# Altium PCB BE200.PcbDoc (part 5 of 6)
Units mm, origin at the board's own origin, x right, y up, seen from the top; angles counter-clockwise.
Board outline 91.25 x 134.75 mm, 4 copper layers (Top Layer, Mid-Top Layer, Mid-Bottom Layer, Bottom Layer); 574 components, 120 nets, 2403 pads, 3712 vias.
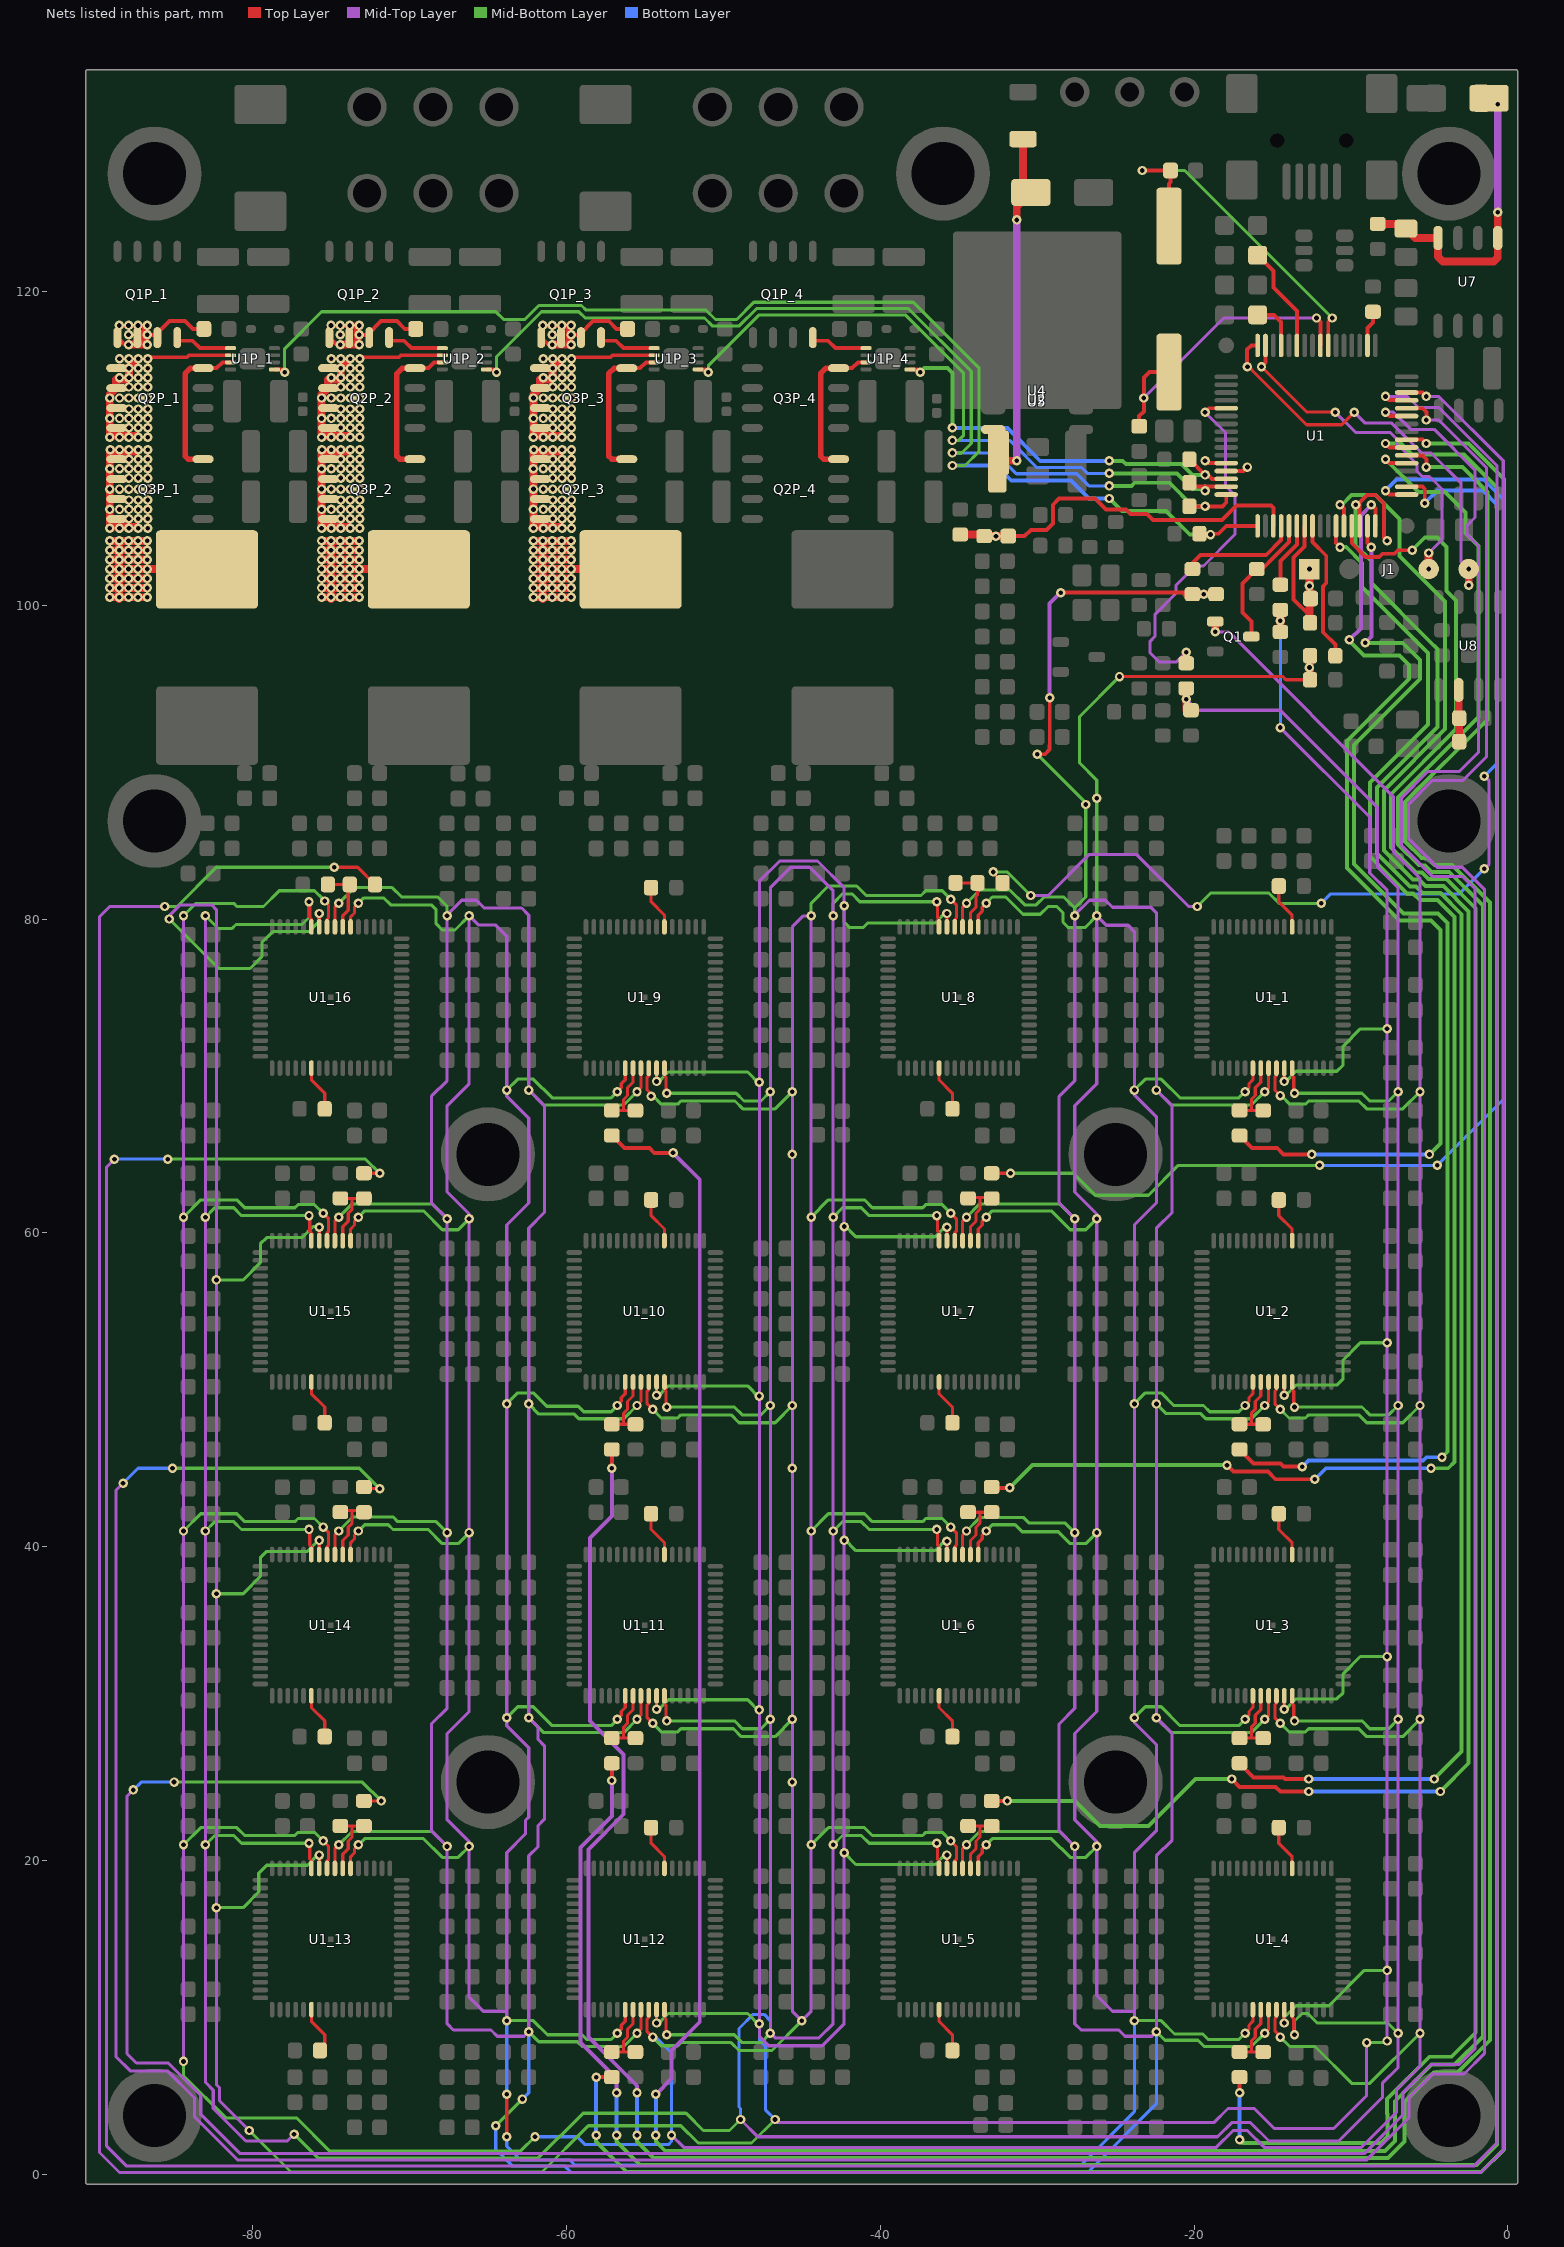
[diagram p7: the nets of this part, all layers, seen from the top]

## Via types
v1: diameter 0.6, hole 0.3, Top Layer to Bottom Layer, tented both sides, 3679 vias
v2: diameter 0.6/0.6/0.6/0.6 (per signal layer), hole 0.3, Top Layer to Bottom Layer, 33 vias

## Nets (pads, with @x,y where several pads share a name; then routed paths per layer and width w, separated by ;. In a path a pad name is that pad's centre, name@x,y a point inside that pad or via, vN(x,y) a via of type N, cw(c..) or ccw(c..) an arc to the next point about the centre after c; other vN are vias at no path point) (continued)
HARD_ZERO: R65.1 R66.2 U1_1.43 U1_2.43 U1_3.43 U1_4.43 U1_5.43 U1_6.43 U1_7.43 U1_8.43 U1_9.43 U1_10.43 U1_11.43 U1_12.43 U1_13.43 U1_14.43 U1_15.43 U1_16.43 | length 562.9
  Top Layer w0.2: v1(-76.4,21.1) -76.35,21.05 -76.35,20.1 -76.25,20 U1_13.43@-76.25,19.5 ; v1(-76.4,41.1) -76.35,41.05 -76.35,40.1 -76.25,40 U1_14.43@-76.25,39.5 ; v1(-76.4,61.1) -76.35,61.05 -76.35,60.101 -76.25,60.001 U1_15.43@-76.25,59.5 ; v1(-76.4,81.1) -76.35,81.05 -76.35,80.1 -76.25,80 U1_16.43@-76.25,79.5 ; U1_12.43@-53.75,10.5 -53.75,10 -53.65,9.9 -53.65,8.95 v1(-53.6,8.9) ; U1_11.43@-53.75,30.5 -53.75,30.014 -53.65,29.914 -53.65,28.95 v1(-53.6,28.9) ; U1_10.43@-53.75,50.5 -53.7,50.45 -53.7,49.964 -53.65,49.914 -53.65,48.95 v1(-53.6,48.9) ; U1_9.43@-53.75,70.5 -53.75,70.014 -53.65,69.914 -53.65,68.95 v1(-53.6,68.9) ; v1(-36.4,21.1) -36.35,21.05 -36.35,20.086 -36.25,19.986 U1_5.43@-36.25,19.5 ; v1(-36.4,41.1) -36.35,41.05 -36.35,40.086 -36.25,39.986 U1_6.43@-36.25,39.5 ; v1(-36.4,61.1) -36.35,61.05 -36.35,60.086 -36.25,59.986 U1_7.43@-36.25,59.5 ; v1(-36.4,81.1) -36.35,81.05 -36.35,80.086 -36.3,80.036 -36.3,79.55 U1_8.43@-36.25,79.5 ; U1_4.43@-13.75,10.5 -13.75,10.014 -13.65,9.914 -13.65,8.95 v1(-13.6,8.9) ; U1_3.43@-13.75,30.5 -13.75,30 -13.65,29.9 -13.65,28.95 v1(-13.6,28.9) ; U1_2.43@-13.75,50.5 -13.75,50.014 -13.65,49.914 -13.65,48.95 v1(-13.6,48.9) ; U1_1.43@-13.75,70.5 -13.75,70.014 -13.65,69.914 -13.65,68.95 v1(-13.6,68.9)
  Top Layer w0.5: R66.2@-20.5,93.3 R65.1@-20.5,94.7
  Mid-Top Layer w0.2: v1(-83,80.2) v1(-83,61) v1(-83,41) v1(-83,21) -83,5.864 -82.5,5.364 -82.5,4.2 -80.425,2.125 -77.775,2.125 v1(-77.35,2.55) ; v1(-48.9,3.5) -47.8,2.4 -18.503,2.4 -17.603,3.3 -16.4,3.3 -15.225,2.125 -10.775,2.125 -8,4.9 -8,5.8 -7,6.8 v1(-7,9) v1(-7,29) v1(-7,49) v1(-7,69) -7,82 -8.3,83.3 -8.3,87.1 -14.5,93.3 -19.8,93.3 v1(-20.5,94) ; v1(-47,9) v1(-47,29) v1(-47,49) v1(-47,69) -47,82 -45.7,83.3 -44.5,83.3 -43,81.8 v1(-43,80.2) v1(-43,61) v1(-43,41) v1(-43,21) -43,9.6 -43.9,8.7 -46.7,8.7 v1(-47,9)
  Mid-Bottom Layer w0.2: v1(-83,21) -82.4,21.6 -81.2,21.6 -80.7,21.1 v1(-76.4,21.1) ; v1(-83,41) -82.4,41.6 -81.2,41.6 -80.7,41.1 v1(-76.4,41.1) ; v1(-83,61) -82.4,61.6 -81.2,61.6 -80.7,61.1 v1(-76.4,61.1) ; v1(-83,80.2) -82.2,79.4 -81.3,79.4 -81.05,79.65 -76.85,79.65 -76.4,80.1 v1(-76.4,81.1) ; v1(-77.35,2.55) -75.85,1.05 -61.781,1.05 -58.931,3.9 -52.369,3.9 -51.269,2.8 -49.6,2.8 v1(-48.9,3.5) ; v1(-53.6,8.9) -49.3,8.9 -48.8,8.4 -47.6,8.4 v1(-47,9) ; v1(-53.6,28.9) -49.284,28.9 -48.784,28.4 -47.6,28.4 v1(-47,29) ; v1(-53.6,48.9) -49.3,48.9 -48.8,48.4 -47.6,48.4 v1(-47,49) ; v1(-53.6,68.9) -49.184,68.9 -48.684,68.4 -47.6,68.4 v1(-47,69) ; v1(-43,21) -42.4,21.6 -41.2,21.6 -40.7,21.1 v1(-36.4,21.1) ; v1(-43,41) -42.4,41.6 -41.2,41.6 -40.7,41.1 v1(-36.4,41.1) ; v1(-43,61) -42.4,61.6 -41.2,61.6 -40.7,61.1 v1(-36.4,61.1) ; v1(-43,80.2) -43,81 -42.4,81.6 -41.8,81.6 -41.3,81.1 v1(-36.4,81.1) ; v1(-13.6,8.9) -13.6,9.775 -13.125,10.25 -12.75,10.25 -12.15,9.65 -7.65,9.65 v1(-7,9) ; v1(-13.6,28.9) -9.3,28.9 -8.8,28.4 -7.6,28.4 v1(-7,29) ; v1(-13.6,48.9) -9.3,48.9 -8.8,48.4 -7.6,48.4 v1(-7,49) ; v1(-13.6,68.9) -9.3,68.9 -8.8,68.4 -7.6,68.4 v1(-7,69)
  Bottom Layer w0.2: v1@-48.9,3.6 -48.9,4.2 -49,4.3 -49,9.3 -48.1,10.2 -47.4,10.2 -47,9.8 v1(-47,9)
HARD_ZERO_MCU: R65.2 U1.53 | length 23.3
  Top Layer w0.25: -19.05,112.55 U1.53@-17.95,112.55
  Top Layer w0.5: R65.2@-20.5,96.3 v1(-20.5,97)
  Mid-Top Layer w0.2: v1(-20.5,97) -21.125,96.375 -22.225,96.375 -22.8,96.95 -22.8,97.7 -22.5,98 -22.5,99.4 -21.15,100.75 -21.15,101.28 -19.93,102.5 -19.4,102.5 -17.4,104.5 -17.4,107 -18,107.6 -18,111 v1(-19.3,112.3)
HO1: Q1P_1.4 U1P_1.1 | length 3.7
  Top Layer w0.25: Q1P_1.4@-84.795,117.05 -84.595,116.85 -83.834,116.85 -83.359,116.375 U1P_1.1@-81.4,116.375
HO2: Q1P_2.4 U1P_2.1 | length 3.7
  Top Layer w0.25: Q1P_2.4@-71.295,117.05 -71.095,116.85 -70.334,116.85 -69.859,116.375 U1P_2.1@-67.9,116.375
HO3: Q1P_3.4 U1P_3.1 | length 3.7
  Top Layer w0.25: Q1P_3.4@-57.795,117.05 -57.595,116.85 -56.834,116.85 -56.359,116.375 U1P_3.1@-54.4,116.375
HO4: Q1P_4.4 U1P_4.1 | length 3.7
  Top Layer w0.25: Q1P_4.4@-44.295,117.05 -44.095,116.85 -43.334,116.85 -42.859,116.375 U1P_4.1@-40.9,116.375
LDO5.0V: C15.1 D7.2 D8.1 R25.1 R26.2 U7.5 U7.8 | length 20.4
  Top Layer w0.5: R25.1@-8.3,124.3 -6.8,124.3 C15.1@-6.5,124 -5.9,123.4 U7.8@-4.455,123.4 -4.455,122.209 -4.146,121.9 ; -3.45,121.9 -4.146,121.9 ; R26.2@-1.7,132.3 D7.2@-1.2,132.3 ; v1(-0.645,125.03) U7.5@-0.645,123.4 -0.645,122.155 -0.9,121.9 -4.146,121.9
  Mid-Top Layer w0.5: v1(-0.645,125.03) v1(-0.645,131.93)
LM12V: D9.1 R28.1 U2.8 U4.1 U5.1 | length 22.3
  Top Layer w0.5: U4.1@-32.54,109.15 -32.49,109.2 v1(-31.3,109.2) ; v1(-31.3,124.55) -31.3,125.4 D9.1@-30.4,126.3 -30.9,126.8 R28.1@-30.9,129.7
  Mid-Top Layer w0.5: v1(-31.3,109.2) v1(-31.3,124.55)
LO1: Q2P_1.4 Q3P_1.4 U1P_1.3 | length 9.7
  Top Layer w0.25: Q2P_1.4@-83.15,115.105 -82.295,115.105 -81.925,115.475 U1P_1.3@-81.4,115.475
  Top Layer w0.35: Q3P_1.4@-83.15,109.305 -84.105,109.305 -84.3,109.5 -84.3,114.75 -83.945,115.105 Q2P_1.4@-83.15,115.105
LO2: Q2P_2.4 Q3P_2.4 U1P_2.3 | length 9.7
  Top Layer w0.25: Q2P_2.4@-69.65,115.105 -68.795,115.105 -68.425,115.475 U1P_2.3@-67.9,115.475
  Top Layer w0.35: Q3P_2.4@-69.65,109.305 -70.605,109.305 -70.8,109.5 -70.8,114.75 -70.445,115.105 Q2P_2.4@-69.65,115.105
LO3: Q2P_3.4 Q3P_3.4 U1P_3.3 | length 9.7
  Top Layer w0.25: Q3P_3.4@-56.15,115.105 -55.295,115.105 -54.925,115.475 U1P_3.3@-54.4,115.475
  Top Layer w0.35: Q2P_3.4@-56.15,109.305 -57.105,109.305 -57.3,109.5 -57.3,114.75 -56.945,115.105 Q3P_3.4@-56.15,115.105
LO4: Q2P_4.4 Q3P_4.4 U1P_4.3 | length 9.7
  Top Layer w0.25: Q3P_4.4@-42.65,115.105 -41.795,115.105 -41.425,115.475 U1P_4.3@-40.9,115.475
  Top Layer w0.35: Q2P_4.4@-42.65,109.305 -43.605,109.305 -43.8,109.5 -43.8,114.75 -43.445,115.105 Q3P_4.4@-42.65,115.105
"MAIN OSC IN": C12.1 U1.39 Y1.1 | length 23.2
  Top Layer w0.25: v1(-23.3,127.7) C12.1@-21.5,127.7 -21.5,126.95 -21.6,126.85 Y1.1@-21.6,124.15 ; U1.39@-11.45,116.55 -11.45,118.05 v1(-11.2,118.3)
  Mid-Bottom Layer w0.2: v1(-23.3,127.7) -20.6,127.7 v1(-11.2,118.3)
"MAIN OSC OUT": C13.1 U1.40 Y1.2 | length 19.9
  Top Layer w0.25: C13.1@-23.5,111.4 -23.5,112.05 -23.2,112.35 -23.2,114.5 -22.85,114.85 Y1.2@-21.6,114.85 ; v1(-12.2,118.3) -11.95,118.05 U1.40@-11.95,116.55
  Mid-Top Layer w0.2: v1(-23.2,113.2) -18.1,118.3 v1(-12.2,118.3)
MCLR: C7.1 J1.1 R22.1 U1.7 | length 10.3
  Top Layer w0.254: U1.7@-12.95,105.05 -12.95,103.725 -13.65,103.025 -13.65,100.375 -12.6,99.325 R22.1@-12.6,98.875
  Top Layer w0.5: v1(-12.65,102.3) v1(-12.65,101.225) -12.65,98.925 R22.1@-12.6,98.875
MCU5.0V: R23.2 U1.34 | length 2.3
  Top Layer w0.25: U1.34@-8.95,116.55 -8.95,117.65 -8.6,118 R23.2@-8.6,118.7
MCU_CS1: R57.2 U1.16 | length 64.5
  Top Layer w0.25: R57.2@-17.1,66.2 -16.3,65.4 -14.7,65.4 -14.3,65 v1(-12.5,65) ; v1(-8.7,106.4) -8.45,106.15 U1.16@-8.45,105.05
  Mid-Top Layer w0.25: v1(-10.1,97.8) -9.375,98.525 -9.375,105.725 v1(-8.7,106.4)
  Mid-Bottom Layer w0.25: v1(-10.1,97.8) -10.1,97.716 -9.184,96.8 -6.9,96.8 -6.3,96.2 -6.3,95.3 -10.25,91.35 -10.25,83.25 -6.9,79.9 -4.9,79.9 -4.3,79.3 -4.3,65.7 v1(-5,65)
  Bottom Layer w0.25: v1(-12.5,65) v1(-5,65)
MCU_CS2: R55.2 U1.15 | length 81.7
  Top Layer w0.25: R55.2@-17.1,46.2 -16.2,45.3 -14.5,45.3 -14.3,45.1 v1(-13.1,45.1) ; U1.15@-8.95,105.05 -8.95,103.95 v1(-8.7,103.7)
  Mid-Top Layer w0.25: v1(-9.1,97.6) -8.7,98 v1(-8.7,103.7)
  Mid-Bottom Layer w0.25: v1(-9.1,97.6) -6.7,97.6 -5.6,96.5 -5.6,95.3 -9.8,91.1 -9.8,83.5 -6.65,80.35 -4.45,80.35 -3.85,79.75 -3.85,46.05 v1(-4.2,45.7)
  Bottom Layer w0.25: v1(-13.1,45.1) -12.7,45.5 -5.4,45.5 -5.2,45.7 v1(-4.2,45.7)
MCU_CS3: R53.2 U1.14 | length 107.9
  Top Layer w0.25: R53.2@-17.1,26.2 -16.2,25.3 -14.3,25.3 -14.2,25.2 v1(-12.7,25.2) ; v1(-9.7,106.4) -9.45,106.15 ; U1.14@-9.45,105.05 -9.45,106.15 ; v1(-7.7,104.1) -7.9,104.3 -7.9,106.484 -8.441,107.025 -8.975,107.025 -9.45,106.55 -9.45,106.15
  Mid-Bottom Layer w0.25: v1(-9.7,106.4) -9.7,103.816 -8.7,102.816 -8.7,101.4 -5,97.7 -4.5,97.2 -4.5,92.236 -8.35,88.386 -8.35,84.186 -6.239,82.075 -5.855,82.075 -5.43,81.65 -4.296,81.65 -2.95,80.304 -2.95,26.95 v1(-4.7,25.2)
  Bottom Layer w0.25: v1(-12.7,25.2) v1(-4.7,25.2)
MCU_CS4: R51.2 U1.13 | length 131.6
  Top Layer w0.25: v1(-17.1,5.2) R51.2@-17.1,6.2 ; U1.13@-9.95,105.05 -9.95,103.95 -9.075,103.075 -8.204,103.075 -8.004,103.275 -7.225,103.275 -7,103.5 v1(-6.1,103.5)
  Mid-Bottom Layer w0.25: v1(-17.1,2.2) -16.9,2 -8.1,2 -7.675,2.425 -7.675,3.859 -7.7,3.884 -7.7,4.8 -5,7.5 -3.6,7.5 -2.05,9.05 -2.05,80.677 -3.923,82.55 -5.057,82.55 -5.482,82.975 -5.866,82.975 -7.45,84.559 -7.45,87.95 -3.3,92.1 -3.3,100.3 -3.9,100.9 -3.9,103.7 -4.5,104.3 -5.3,104.3 v1(-6.1,103.5)
  Bottom Layer w0.25: v1@-17.1,2.1 v1(-17.1,5.2)
MCU_CS5: R49.2 U1.12 | length 124.8
  Top Layer w0.25: R49.2@-32.9,23.8 v1(-31.9,23.8) ; v1(-17.6,25.2) -17.1,24.7 -14.8,24.7 -14.5,24.4 v1(-12.7,24.4) ; v1(-10.7,106.4) -10.45,106.15 U1.12@-10.45,105.05
  Mid-Bottom Layer w0.25: v1(-31.9,23.8) -27.6,23.8 -26,22.2 -22.9,22.2 -19.9,25.2 v1(-17.6,25.2) ; v1(-10.7,106.4) -10.584,106.4 -9.959,107.025 -8.441,107.025 -6.9,105.484 -6.9,103.12 -4,100.22 -4,92.1 -7.9,88.2 -7.9,84.373 -6.052,82.525 -5.668,82.525 -5.243,82.1 -4.109,82.1 -2.5,80.491 -2.5,26.2 v1(-4.3,24.4)
  Bottom Layer w0.25: v1(-12.7,24.4) v1(-4.3,24.4)
MCU_CS6: R47.2 U1.11 | length 97.9
  Top Layer w0.25: R47.2@-32.9,43.8 -32.85,43.75 v1(-31.75,43.75) ; v1(-17.9,45.2) -17.5,44.8 -15.3,44.8 -14.8,44.3 v1(-12.3,44.3) ; U1.11@-10.95,105.05 -10.95,103.95 v1(-10.7,103.7)
  Mid-Bottom Layer w0.25: v1(-31.75,43.75) -30.3,45.2 v1(-17.9,45.2) ; v1(-10.7,103.7) -10.3,103.7 -9.3,102.7 -9.3,101.15 -5.1,96.95 -5.1,92.4 -8.8,88.7 -8.8,84 -6.425,81.625 -6.041,81.625 -5.616,81.2 -4.482,81.2 -3.4,80.118 -3.4,45.4 -3.8,45 v1(-4.9,45)
  Bottom Layer w0.25: v1(-12.3,44.3) -11.6,45 v1(-4.9,45)
MCU_CS7: R45.2 U1.17 | length 83.8
  Top Layer w0.2: R45.2@-32.9,63.8 v1(-31.7,63.8)
  Top Layer w0.25: v1(-7.8,107.3) -7.55,107.05 U1.17@-6.45,107.05
  Mid-Bottom Layer w0.2: v1(-31.7,63.8) -27.7,63.8 -26.3,62.4 -22.9,62.4 -21,64.3 v1(-12,64.3)
  Bottom Layer w0.2: v1(-12,64.3) v1(-4.5,64.3) -0.25,68.55 -0.25,74.525 -0.225,74.55 -0.225,106.675 -1.55,108
  Bottom Layer w0.25: v1(-7.8,107.3) -7.1,108 -1.55,108
MCU_CS8: R43.2 U1.18 | length 68
  Top Layer w0.2: v1(-32.8,83) -32.8,82.9 R43.2@-32.2,82.3
  Top Layer w0.25: U1.18@-6.45,107.55 -5.45,107.55 -5.3,107.4 v1(-5.3,106.5)
  Mid-Top Layer w0.2: v1(-30.4,81.5) -29.3,81.5 -26.7,84.1 -23.649,84.1 -20.349,80.8 v1(-19.8,80.8) ; v1(-1.5,83.2) -1.2,83.5 -1.2,88.8 v1(-1.5,89.1)
  Mid-Bottom Layer w0.2: v1(-32.8,83) -31.9,83 v1(-30.4,81.5) ; v1(-19.8,80.8) -18.95,81.65 -15.225,81.65 -14.575,81 v1(-11.9,81)
  Bottom Layer w0.2: v1(-11.9,81) -11.3,81.6 -3.1,81.6 v1(-1.5,83.2) ; v1(-1.5,89.1) -0.7,89.9 -0.7,106.4
  Bottom Layer w0.25: v1(-5.3,106.5) -4.5,107.3 -1.6,107.3 -0.7,106.4
MCU_CS9: R41.2 U1.21 | length 237.3
  Top Layer w0.25: R41.2@-57.099,66.2 -56.299,65.4 -54.7,65.4 -54.4,65.1 v1(-53.2,65.1) ; v1(-7.8,109.3) -7.55,109.05 U1.21@-6.45,109.05
  Mid-Top Layer w0.25: v1(-54.3,5.1) -53.3,6.1 -53.3,7.9 -51.5,9.7 -51.5,63.4 v1(-53.2,65.1)
  Mid-Bottom Layer w0.25: v1(-54.3,2.5) -54.3,2.1 -53.7,1.5 -50.8,1.5 -7.836,1.5 -7.2,2.136 -7.2,4.664 -4.864,7 -3.4,7 -1.6,8.8 -1.6,80.864 -3.736,83 -4.871,83 -5.296,83.425 -5.679,83.425 -7,84.746 -7,87.736 -1.875,92.861 -1.875,103.766 -2.7,104.591 -2.7,105.9 -4,107.2 -5.7,107.2 v1(-7.8,109.3)
  Bottom Layer w0.25: v1(-54.3,2.5) v1(-54.3,5.1)
MCU_CS10: R39.2 U1.22 | length 217.5
  Top Layer w0.25: v1(-57.1,45) R39.2@-57.1,46.2 ; U1.22@-6.45,109.55 -5.45,109.55 -5.2,109.3 v1(-5.2,108.8)
  Mid-Top Layer w0.25: v1(-57.1,45) -57.1,41.95 -58.5,40.55 -58.5,28.9 -56.349,26.749 -56.349,22.951 -58.6,20.7 -58.6,8.75 -55.5,5.65 v1(-55.5,5.2)
  Mid-Bottom Layer w0.25: v1(-55.5,2.5) -55.5,2.1 -54.45,1.05 -7.65,1.05 -6.6,2.1 -6.6,4.627 -4.727,6.5 -3.2,6.5 -1.15,8.55 -1.15,81.05 -3.55,83.45 -4.684,83.45 -5.109,83.875 -5.493,83.875 -6.55,84.932 -6.55,87.45 -1.3,92.7 -1.3,107.2 -2.9,108.8 v1(-5.2,108.8)
  Bottom Layer w0.25: v1(-55.5,2.5) v1(-55.5,5.2)
MCU_CS11: R37.2 U1.23 | length 198.5
  Top Layer w0.25: v1(-57.1,25.1) R37.2@-57.1,26.199 ; v1(-7.8,110.3) -7.55,110.05 U1.23@-6.45,110.05
  Mid-Top Layer w0.25: v1(-57.1,25.1) -57.1,22.836 -59.1,20.836 -59.1,8.4 -56.8,6.1 v1(-56.8,5.2)
  Mid-Bottom Layer w0.25: v1(-56.8,2.5) -56.8,2.1 -55.3,0.6 -2,0.6 -0.7,1.9 -0.7,107.5 -2.8,109.6 -6.1,109.6 -6.8,110.3 v1(-7.8,110.3)
  Bottom Layer w0.25: v1(-56.8,2.5) v1(-56.8,5.2)
MCU_CS12: R35.2 U1.24 | length 178
  Top Layer w0.25: v1(-58.1,6.2) R35.2@-57.1,6.2 ; U1.24@-6.45,110.55 -5.45,110.55 v1(-5.2,110.3)
  Mid-Bottom Layer w0.25: v1(-58.1,2.5) -58.1,2.1 -56.15,0.15 -1.7,0.15 -0.25,1.6 -0.25,108.05 -2.5,110.3 v1(-5.2,110.3)
  Bottom Layer w0.25: v1(-58.1,2.5) v1(-58.1,6.2)
MCU_CS13: R33.2 U1.27 | length 243.5
  Top Layer w0.2: R33.2@-72.9,23.8 v1(-71.8,23.8)
  Top Layer w0.25: v1(-7.8,112.3) -7.55,112.05 U1.27@-6.45,112.05
  Mid-Top Layer w0.2: v1(-87.6,24.5) -88,24.1 -88,7.7 -87.4,7.1 -85.368,7.1 -83.3,5.032 -83.3,3.834 -80.791,1.325 -9.161,1.325 -6.7,3.786 -6.7,5.2 -4.9,7 -3.1,7 -2.1,8 -2.1,81.934 -2.866,82.7 -4.8,82.7 -6.8,84.7 -6.8,87.7 -5.1,89.4 -3.1,89.4 -1.875,90.625 -1.875,103.766 -2.6,104.491 -2.6,105.084 -2.1,105.584 -2.1,108.6 -4.7,111.2 -6.2,111.2 -7.3,112.3 v1(-7.8,112.3)
  Mid-Bottom Layer w0.2: v1(-85,25) -73,25 v1(-71.8,23.8)
  Bottom Layer w0.2: v1(-87.6,24.5) -87.1,25 v1(-85,25)
MCU_CS14: R30.2 U1.28 | length 263.3
  Top Layer w0.2: R30.2@-72.9,43.7 v1(-71.9,43.7)
  Top Layer w0.25: U1.28@-6.45,112.55 -5.45,112.55 -5.2,112.3 v1(-5.2,111.8)
  Mid-Top Layer w0.2: v1(-88.25,44.05) -88.7,43.6 -88.7,7.5 -87.8,6.6 -85.433,6.6 -83.7,4.867 -83.7,3.669 -80.956,0.925 -8.995,0.925 -6.3,3.62 -6.3,4.9 -4.8,6.4 -2.8,6.4 -1.5,7.7 -1.5,81.9 -2.9,83.3 -4.5,83.3 -6.325,85.125 -6.325,87.317 -4.817,88.825 -2.875,88.825 -1.375,90.325 -1.375,108.775 -4.4,111.8 v1(-5.2,111.8)
  Mid-Bottom Layer w0.2: v1(-85.1,45) -73.2,45 v1(-71.9,43.7)
  Bottom Layer w0.2: v1(-88.25,44.05) -87.3,45 v1(-85.1,45)
MCU_CS15: R24.2 U1.29 | length 288.4
  Top Layer w0.2: R24.2@-72.901,63.8 v1(-71.9,63.8)
  Top Layer w0.25: v1(-7.8,113.3) -7.575,113.075 -6.475,113.075 U1.29@-6.45,113.05
  Mid-Top Layer w0.2: v1(-88.8,64.7) -89.3,64.2 -89.3,1.8 -88.025,0.525 -2.175,0.525 -0.7,2 -0.7,108.9 -4.4,112.6 -5.7,112.6 -6.4,113.3 v1(-7.8,113.3)
  Mid-Bottom Layer w0.2: v1(-85.4,64.7) -72.8,64.7 v1(-71.9,63.8)
  Bottom Layer w0.2: v1(-88.8,64.7) v1(-85.4,64.7)
MCU_CS16: R2.2 U1.30 | length 304.2
  Top Layer w0.2: v1(-74.8,83.3) -73.3,83.3 R2.2@-72.2,82.2
  Top Layer w0.25: U1.30@-6.45,113.55 -5.45,113.55 v1(-5.2,113.3)
  Mid-Top Layer w0.2: v1(-85.6,80.8) -89.1,80.8 -89.75,80.15 -89.75,1.4 -88.475,0.125 -1.725,0.125 -0.3,1.55 -0.3,109.2 -4.4,113.3 v1(-5.2,113.3)
  Mid-Bottom Layer w0.2: v1(-85.6,80.8) -84.801,80.8 -82.301,83.3 v1(-74.8,83.3)
MCU_MISO0: Q1.3 R1.1 U1.5 | length 8.7
  Top Layer w0.25: Q1.3@-16.35,98 -16.35,98.95 -16.925,99.525 -16.925,101.375 -15.981,102.319 -15.644,102.319 -14.864,103.1 -13.95,104.014 U1.5@-13.95,105.05
MCU_MOSI0: R5.2 U1.6 | length 4.2
  Top Layer w0.25: R5.2@-14.5,101.3 -14.5,102.814 -13.45,103.864 U1.6@-13.45,105.05
MCU_SCK0: R7.2 U1.4 | length 7.7
  Top Layer w0.25: R7.2@-20.5,102.3 -19.6,103.2 -15.4,103.2 -14.45,104.15 U1.4@-14.45,105.05
MEAS12: C2.1 R15.2 R16.2 U1.3 | length 23.9
  Top Layer w0.25: C2.1@-31.85,104.4 -30.8,104.4 -30.4,104.8 -29.4,104.8 -29,105.2 -29,106.4 -28.6,106.8 -26.3,106.8 -25.6,106.1 -24.35,106.1 -24.05,105.8 -23,105.8 -22.625,105.425 -18.225,105.425 -17.3,106.35 -15.1,106.35 -14.95,106.2 U1.3@-14.95,105.05
  Top Layer w0.5: R15.2@-34.9,104.5 R16.2@-33.3,104.5 ; R16.2@-33.375,104.4 C2.1@-31.875,104.4
  other v1: -32.625,104.4
NetR1_1_1: R1_1.1 U1_1.6 | length 3
  Top Layer w0.2: R1_1.1@-14.6,82.1 -14.6,81.1 -13.75,80.25 U1_1.6@-13.75,79.5
NetR1_2_1: R1_2.1 U1_2.6 | length 3
  Top Layer w0.2: R1_2.1@-14.6,62.1 -14.6,61.1 -13.75,60.25 U1_2.6@-13.75,59.5
NetR1_3_1: R1_3.1 U1_3.6 | length 3
  Top Layer w0.2: R1_3.1@-14.6,42.1 -14.6,41.1 -13.75,40.25 U1_3.6@-13.75,39.5
NetR1_4_1: R1_4.1 U1_4.6 | length 3
  Top Layer w0.2: R1_4.1@-14.6,22.1 -14.6,21.1 -13.75,20.25 U1_4.6@-13.75,19.5
NetR1_5_1: R1_5.1 U1_5.6 | length 3
  Top Layer w0.2: U1_5.6@-36.25,10.5 -36.25,9.75 -35.4,8.9 R1_5.1@-35.4,7.9
NetR1_6_1: R1_6.1 U1_6.6 | length 3
  Top Layer w0.2: U1_6.6@-36.25,30.5 -36.25,29.75 -35.4,28.9 R1_6.1@-35.4,27.9
NetR1_7_1: R1_7.1 U1_7.6 | length 3
  Top Layer w0.2: U1_7.6@-36.25,50.5 -36.25,49.75 -35.4,48.9 R1_7.1@-35.4,47.9
NetR1_8_1: R1_8.1 U1_8.6 | length 3
  Top Layer w0.2: U1_8.6@-36.25,70.5 -36.25,69.75 -35.4,68.9 R1_8.1@-35.4,67.9
NetR1_9_1: R1_9.1 U1_9.6 | length 3
  Top Layer w0.2: R1_9.1@-54.6,82.1 -54.6,81.1 -53.75,80.25 U1_9.6@-53.75,79.5
NetR1_10_1: R1_10.1 U1_10.6 | length 3
  Top Layer w0.2: R1_10.1@-54.6,62.1 -54.6,61.1 -53.75,60.25 U1_10.6@-53.75,59.5
NetR1_11_1: R1_11.1 U1_11.6 | length 3
  Top Layer w0.2: R1_11.1@-54.6,42.1 -54.6,41.1 -53.75,40.25 U1_11.6@-53.75,39.5
NetR1_12_1: R1_12.1 U1_12.6 | length 3
  Top Layer w0.2: R1_12.1@-54.6,22.1 -54.6,21.1 -53.75,20.25 U1_12.6@-53.75,19.5
NetR1_13_1: R1_13.1 U1_13.6 | length 3
  Top Layer w0.2: U1_13.6@-76.25,10.5 -76.25,9.75 -75.4,8.9 R1_13.1@-75.4,7.9
NetR1_14_1: R1_14.1 U1_14.6 | length 3
  Top Layer w0.2: U1_14.6@-76.25,30.5 -76.25,29.75 -75.4,28.9 R1_14.1@-75.4,27.9
NetR1_15_1: R1_15.1 U1_15.6 | length 3
  Top Layer w0.2: U1_15.6@-76.25,50.5 -76.25,49.75 -75.4,48.9 R1_15.1@-75.4,47.9
NetR1_16_1: R1_16.1 U1_16.6 | length 3
  Top Layer w0.2: U1_16.6@-76.25,70.5 -76.25,69.75 -75.4,68.9 R1_16.1@-75.4,67.9
NetR59_2: R59.2 R60.2 U8.2 | length 3.3
  Top Layer w0.5: U8.2@-3.135,94.6 -3.135,92.835 R60.2@-3.1,92.8 R59.2@-3.1,91.3
ORANGE: D4.2 U1.45 | length 3.2
  Top Layer w0.25: D4.2@-15.95,118.5 -14.9,118.5 -14.45,118.05 U1.45@-14.45,116.55
PGC: J1.5 U1.48 | length 26.6
  Top Layer w0.2: v1@-16.616,115.284 -16.3,114.967 -16.3,114.951 -15.949,114.6 -15.933,114.6 -12.833,111.5 -10.6,111.5 v1(-9.8,112.3)
  Top Layer w0.25: v1@-16.7,115.2 -16.616,115.284 -16.616,116.284 -16.35,116.55 U1.48@-15.95,116.55
  Top Layer w0.5: v1(-2.5,101.275) v1(-2.5,102.3)
  Mid-Top Layer w0.2: v1(-9.8,112.3) -9.1,111.6 -7.4,111.6 -5.5,109.7 ; -4.951,109.7 -5.5,109.7 ; v1(-2.5,102.3) -3,102.8 -3,107.8 -4.9,109.7 -5.5,109.7
  other v1: -16.6,115.2
PGD: J1.4 U1.47 | length 22.1
  Top Layer w0.2: v1(-15.7,115.2) -12.8,112.3 v1(-11,112.3)
  Top Layer w0.25: v1(-15.7,115.2) -15.45,115.45 U1.47@-15.45,116.55
  Top Layer w0.5: v1(-5.05,102.3) v1(-5.05,103.325)
  Mid-Top Layer w0.2: v1(-11,112.3) -9.7,111 -7.5,111 -7.1,110.6 -7.1,110.3 -5.8,109 -5.8,108.551 -5.449,108.2 -5,108.2 -4.2,107.4 -4.2,104.175 v1(-5.05,103.325)
PWM1H: U1.61 | length 1.5
  Top Layer w0.25: U1.61@-17.95,108.55 -16.85,108.55 v1(-16.6,108.8)
PWM1L: U1.60 | length 1.5
  Top Layer w0.25: v1@-19.3,109.3 -19.05,109.05 U1.60@-17.95,109.05
  other v1: -19.3,109.2
PWM2H: R10.1 U1.63 U1P_3.5 | length 45
  Top Layer w0.25: U1P_3.5@-51.6,115.025 -51.127,115.025 v2(-50.952,114.85) ; R10.1@-20.3,107.8 -20.05,107.55 U1.63@-17.95,107.55
  Mid-Bottom Layer w0.2: v2(-50.952,114.85) -50.952,115.267 -47.719,118.5 -38.4,118.5 -34.7,114.8 -34.7,110.8 -35,110.5 v2(-35.4,110.5)
  Mid-Bottom Layer w0.25: v1(-25.4,108.4) -21.1,108.4 -20.1,107.4 -19.45,107.4 v1@-19.3,107.55
  Bottom Layer w0.2: v2(-35.4,110.5) -31.751,110.5 -30.7,109.449 -30.7,109.44 -30.035,108.775 -27.175,108.775 -26.8,108.4 v1(-25.4,108.4)
  other v1: -19.3,107.3
PWM2L: R11.1 U1.62 U1P_4.5 | length 26.5
  Top Layer w0.25: U1P_4.5@-38.1,115.025 -37.627,115.025 v2(-37.452,114.85) ; R11.1@-20.3,109.3 v1(-19.3,108.3) ; v1@-19.1,108.3 -18.85,108.05 U1.62@-17.95,108.05
  Mid-Bottom Layer w0.25: v2(-37.452,114.85) -37.177,115.125 -35.725,115.125 -35.4,114.8 v2(-35.4,111.3) ; v1(-25.4,109.2) -24.55,109.2 -24.35,109 -20.8,109 -20.1,108.3 v1(-19.3,108.3)
  Bottom Layer w0.25: v2(-35.4,111.3) -31.9,111.3 -29.8,109.2 v1(-25.4,109.2)
PWM3H: R12.2 U1.1 U1P_1.5 | length 80.1
  Top Layer w0.25: U1P_1.5@-78.6,115.025 -78.127,115.025 v2(-77.952,114.85) ; R12.2@-19.65,104.55 -18.45,104.55 -17.95,105.05 U1.1@-15.95,105.05